# KiCad board Entrex Disk Controller Device Code - Domonique's.kicad_pcb
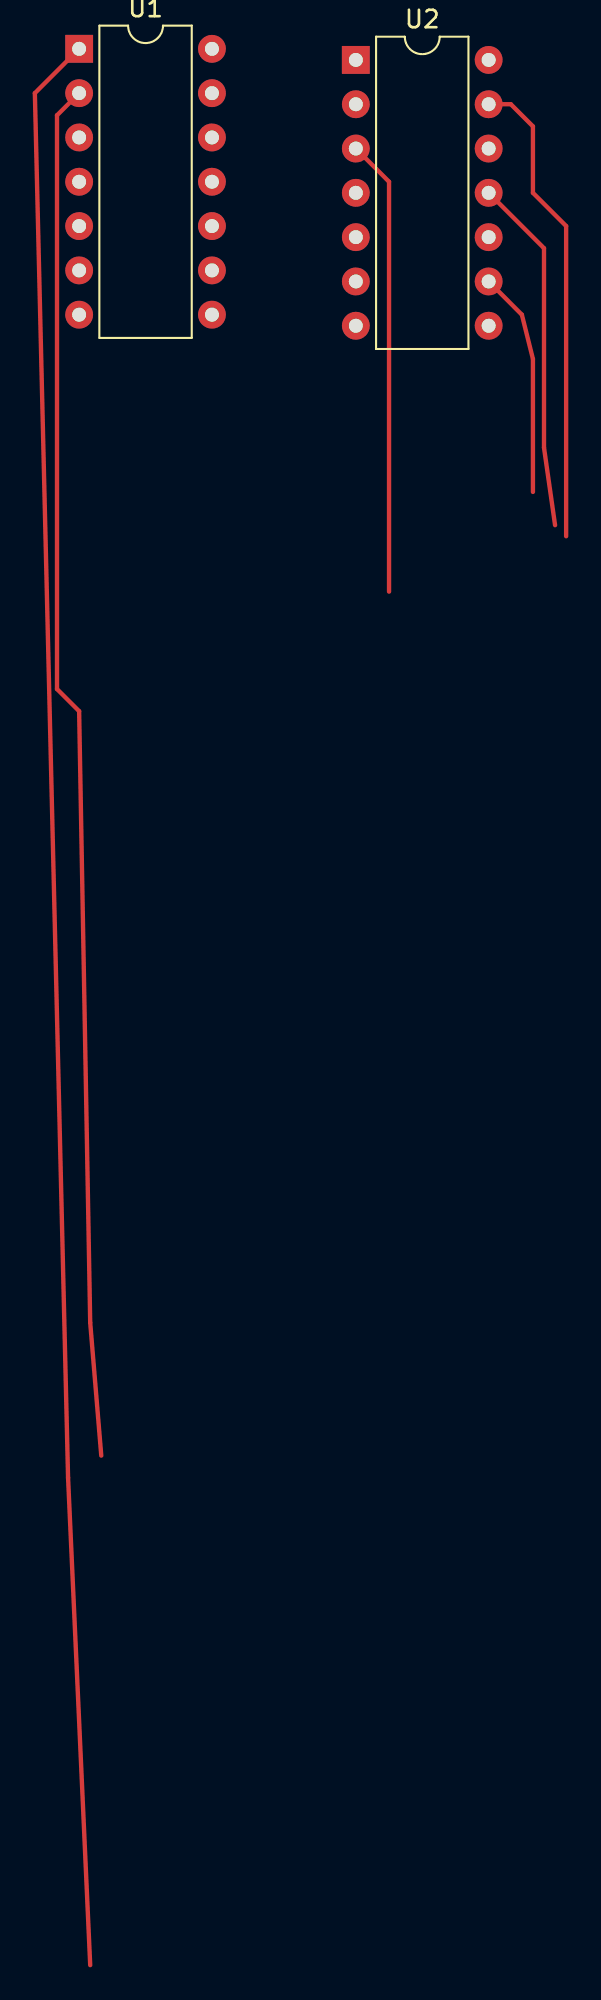
[diagram p0: board, top side]
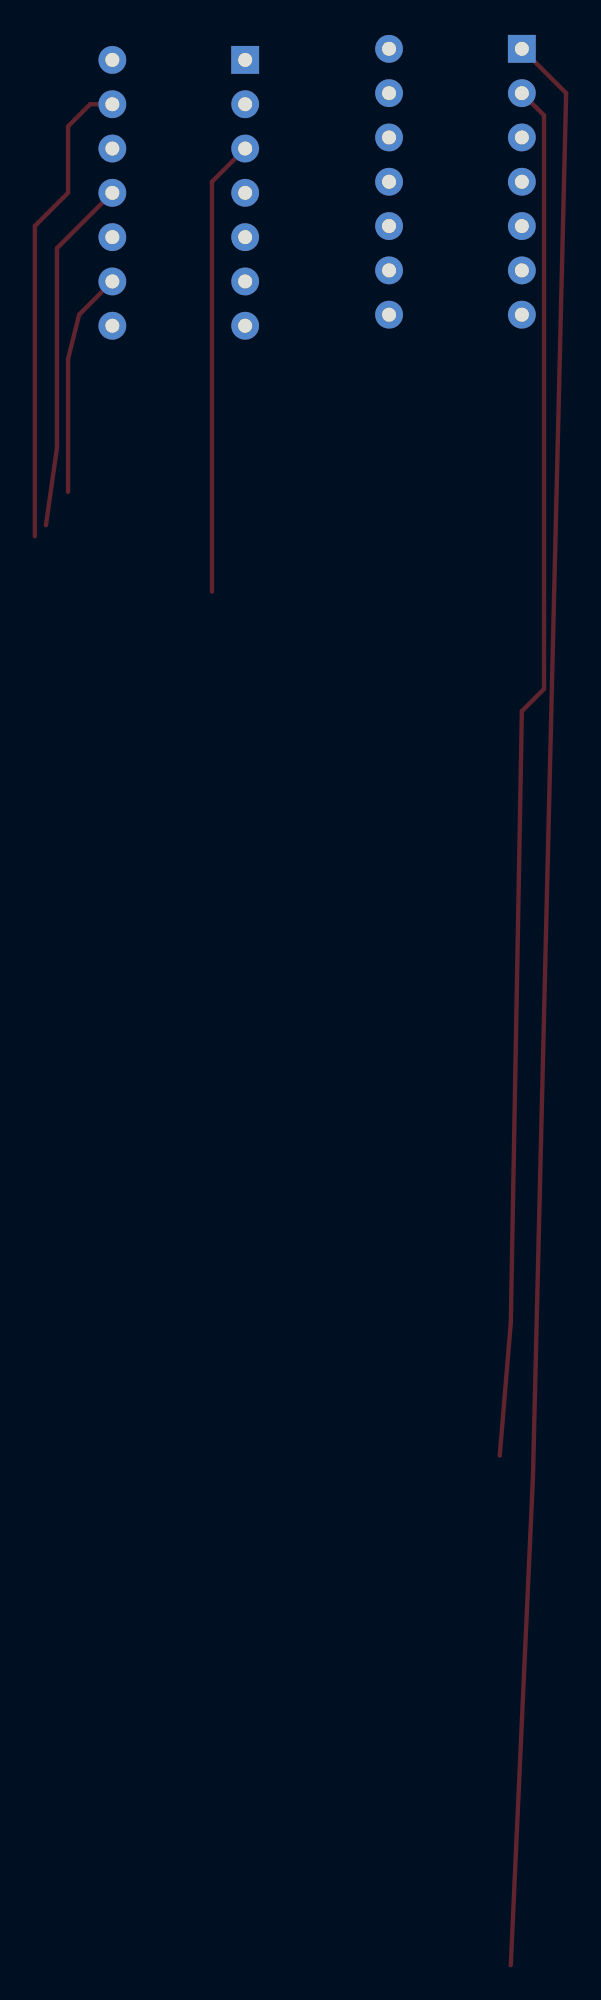
[diagram p1: board, bottom side, seen from below]

No outline. copper layers: Top, Bottom. Coordinates in mm from the lowest, leftmost part position.

## Placement (name value [footprint] x y rotation side)
U1  74LS30  [DIP-14_W7.62mm]  0 0.64 0 top
U2  74LS04  [DIP-14_W7.62mm]  15.88 0 0 top

## Library data of the parts
U1 = -: Description: 8-input NAND
U2 = -: Description: Hex Inverter

## Footprints (pads in the part's own frame, mm; a bottom-side part is the same pattern mirrored in y, then rotated)
DIP-14_W7.62mm
  rect 1.6x1.6 hole 0.8: 1(0,0)
  oval 1.6x1.6 hole 0.8: 2(0,-2.54) 3(0,-5.08) 4(0,-7.62) 5(0,-10.16) 6(0,-12.7) 7(0,-15.24) 8(7.62,-15.24) 9(7.62,-12.7) 10(7.62,-10.16) 11(7.62,-7.62) 12(7.62,-5.08) 13(7.62,-2.54) 14(7.62,0)

## Nets
7430p8: U1.8
~{DS0}: U1.2
~{DS1}: U2.13
~{DS2}: U2.11
~{DS3}: U1.1
~{DS4}: U2.3
~{DS5}: U2.9
Net-(U1-Pad3): U1.3 U2.12
Net-(U1-Pad4): U1.4 U2.10
Net-(U1-Pad11): U1.5 U1.6 U1.11 U2.4
Net-(U1-Pad12): U1.12 U2.8

Pads without a net: U1 7 9 10 13 14; U2 1 2 5 6 7 14

## Routing (per net, layer and track width the routed paths; a pad name or vN(x,y) marks a point on that pad's centre or on a via; arc(x,y) is an arc through that point)
~{DS0}: length 79.2
  Top w0.25: U1.2 -1.27,-3.17 -1.27,-36.07 0,-37.34 0.63,-72.39 1.27,-80.01
~{DS1}: length 27.4
  Top w0.25: U2.13 24.76,-2.54 26.03,-3.81 26.03,-7.62 27.94,-9.53 27.94,-27.31
~{DS2}: length 20.4
  Top w0.25: 27.31,-26.67 26.67,-22.22 26.67,-10.79 U2.11
~{DS3}: length 111
  Top w0.25: 0.63,-109.22 -0.63,-81.28 -2.54,-1.91 U1.1
~{DS4}: length 26.2
  Top w0.25: 17.78,-30.48 17.78,-6.98 U2.3
~{DS5}: length 12.9
  Top w0.25: 26.03,-24.76 26.03,-17.14 25.4,-14.6 U2.9
